# Altium PCB main.PcbDoc (continued)
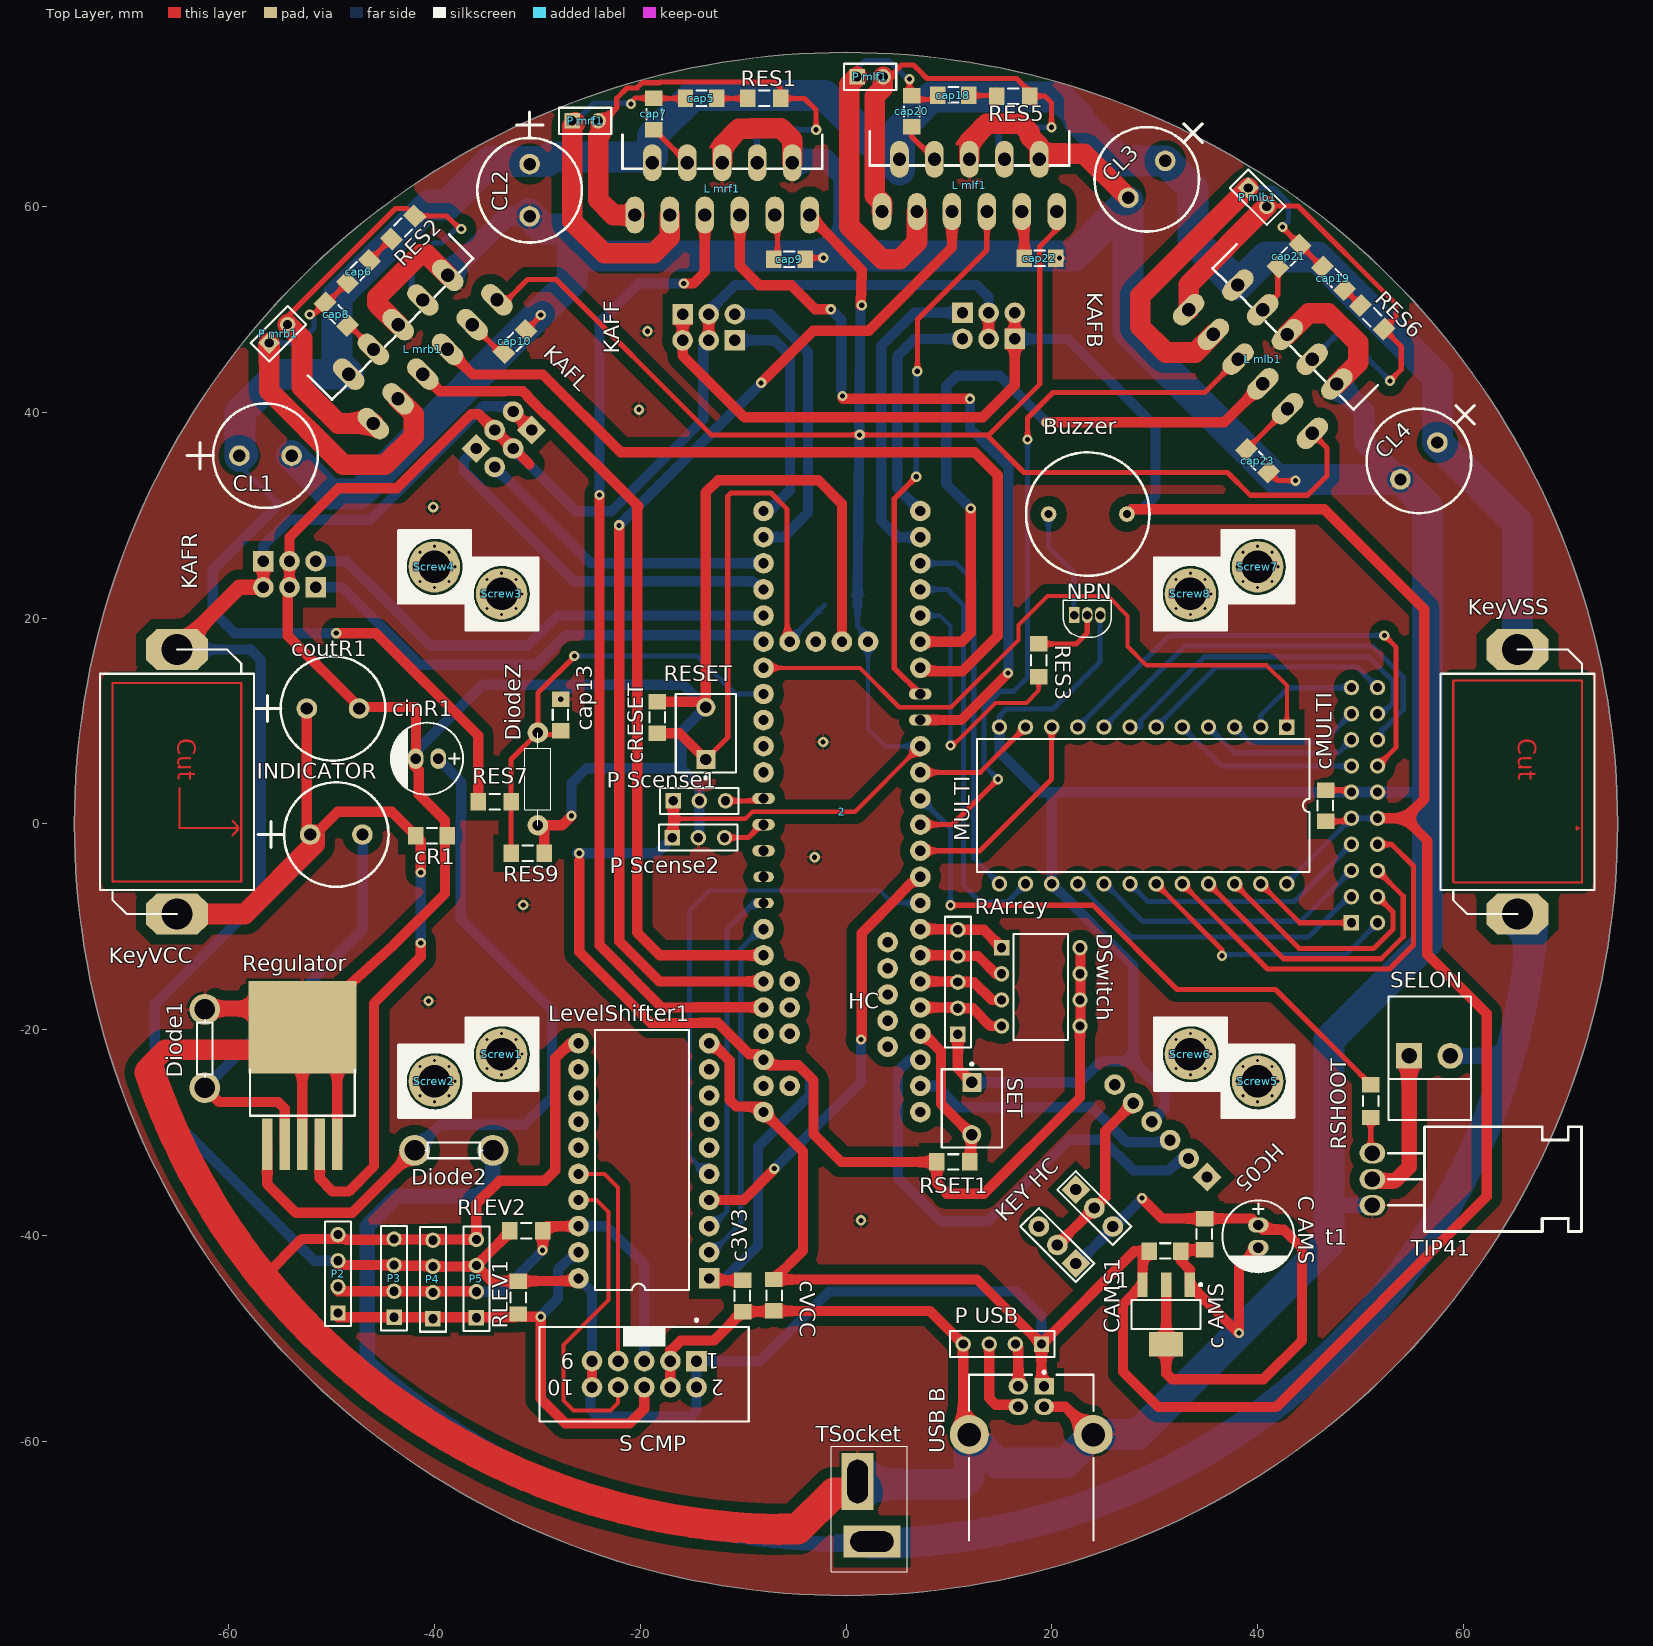
[diagram p0: Top Layer view]
## Footprints (in the part's own frame and the unit in brackets; to place one, negate y for a bottom-side part, rotate by r counter-clockwise, add the part's x,y. Pads: shape width x height; smd on the part's side, far side on the other; paste and mask are expansions set on the pad) (continued)
NPN [mm]
  rect 1x1.55 hole 0.8: 1(1.27,0)
  oval 1x1.55 hole 0.8: 2(0,0) 3(-1.27,0)
  silkscreen extent -2.35,-1.47 2.35,2.15, body extent -2.35,-1.47 2.41,2.16, height 6.83
"Power Key"#1 [mm]
  oct 4x6 hole 3: 1(12.947,0.122) 2(-12.753,0.122)
  Top Layer lines w0.2: 0.697,0.372 4.597,0.372 4.597,5.928 4.45,6.075 3.897,5.522 ; 5.297,5.522 4.784,6.034 ; 9.775,-6.128 -9.525,-6.128 -9.525,6.372 9.775,6.372 9.775,-6.128
  silkscreen extent -12.75,-7.38 12.95,7.62, body extent -10.39,-7.25 10.9,7.76, height 3.29
"Power Key"#2 [mm]
  oct 4x6 hole 3: 1(12.947,0.122) 2(-12.753,0.122)
  Top Layer lines w0.2: 9.85,-6.128 -9.733,-6.128 -9.733,6.372 9.875,6.372 9.875,-6.075 9.822,-6.128 9.347,-6.128
  silkscreen extent -12.75,-7.38 12.95,7.62, body extent -10.39,-7.25 10.9,7.76, height 3.29
"Res Array 5" [mm]
  rect 1.5x1.5 hole 0.9: 1(-4.572,0.127)
  round 1.5 hole 0.9: 2(-2.032,0.127) 3(0.508,0.127) 4(3.048,0.127) 5(5.588,0.127)
  silkscreen extent -5.84,-1.14 6.86,1.4, body extent -5.84,-1.27 6.86,1.24, height 5.63
Resistor [mm] "DIP 2"
  round 2 hole 1: 1(4.496,-0.076) 2(-4.504,-0.076)
  silkscreen extent -4.5,-1.33 4.5,1.17, body extent -4.82,-1.4 4.81,1.24, height 3.09
"Resistor SMD 1206" [mm]
  rect 1.5x1.7 smd: 1(-1.6,0) 2(1.6,0)
  silkscreen extent -0.5,-0.75 0.5,0.75, body extent -1.6,-0.8 1.6,0.8, height 0.55
Screw [mm]
  round 0.6 hole 0.3: S(-2,0) S(-1.414,-1.414) S(-1.414,1.414) S(0,-2) S(0,2) S(1.414,-1.414) S(1.414,1.414) S(2,0)
  round 5 hole 3.15 mask+0.1: S(0,0)
  silkscreen extent -3.49,-3.53 3.56,3.52, body extent -2.8,-2.8 2.8,2.8, height 3.88
"Selon Con" [mm]
  rect 2.5x2.5 hole 1.5: 1(2.022,0.385)
  round 2.5 hole 1.5: 2(-1.978,0.385)
  silkscreen extent -3.98,-5.36 4.02,6.64
SOT223 [mm]
  rect 1x2.4 smd: 1(-2.269,-2.85) 2(0.031,-2.85) 3(2.331,-2.85)
  rect 3.3x2.4 smd: 2(0.031,2.95)
  silkscreen extent -3.44,-2.97 3.38,1.45, body extent -3.21,-3.44 3.27,3.54, height 1.64
SW_2pin [mm]
  rect 1.85x1.85 hole 1.1: 1(-2.54,0)
  round 1.85 hole 1.1: 2(2.54,0)
  silkscreen extent -4.44,-2.92 3.81,2.92, body extent -3.96,-3.1 3.96,3.1, height 4.45
TEENSY_3.5/3.6 [mm]
  round 2 hole 1: 0/RX(-25.4,-7.62) 1/TX(-22.86,-7.62) 2(-20.32,-7.62) 3/CANTX(-17.78,-7.62) 3V3(7.62,-7.62) 3V3_2(17.78,-2.54) 3V3_LO(-22.86,7.62) 4/CANRX(-15.24,-7.62) 5(-12.7,-7.62) 6(-10.16,-7.62) 7(-7.62,-7.62) 8(-5.08,-7.62) 9/CS(-2.54,-7.62) 10/CS(0,-7.62) 11/MOSI(2.54,-7.62) 12/MISO(5.08,-7.62) 13/SCK(5.08,7.62) 19/A5/SCL(-10.16,7.62) 20/A6(-12.7,7.62) 21/A7(-15.24,7.62) 21/DAC0(12.7,7.62) 22/A8(-17.78,7.62) 23/A9(-20.32,7.62) 26(15.24,-7.62) 27(17.78,-7.62) 28(20.32,-7.62) 29(22.86,-7.62) 30(25.4,-7.62) 31/A12(27.94,-7.62) 32/A13(30.48,-7.62) 33/A14(30.48,7.62) 34/A15(27.94,7.62) 35/A16(25.4,7.62) 36/A17(22.86,7.62) 37/A18(20.32,7.62) 38/A19(17.78,7.62) 39/A20(15.24,7.62) A10(-17.78,5.08) A11(-15.24,5.08) A22/DAC1(10.16,7.62) AGND(-25.4,7.62) AREF(-20.32,5.08) GND(-27.94,-7.62) GND2(7.62,7.62) GND3(17.78,0) PROG(17.78,2.54) RESET(17.78,5.08) U5V(-21.59,-4.445) UD+(-16.51,-4.445) UD-(-19.05,-4.445) UGND1(-13.97,-4.445) UGND2(-11.43,-4.445) VIN(-27.94,7.62) VUSB(-25.4,5.08)
  oval 1.1x2.2 hole 1: 14/A0(2.54,7.62) 15/A1(0,7.62) 16/A2(-2.54,7.62) 24(10.16,-7.62) 25(12.7,-7.62)
  oval 1x2 hole 1: 17/A3(-5.08,7.62) 18/A4/SDA(-7.62,7.62)
  round 0 all layers, no hole: VBAT(17.78,-5.08)
  body extent -30.67,-8.89 31.69,8.89, height 7.49
TIP41 [mm]
  round 0 all layers, no hole: 0(0.175,8.296)
  oval 2x2.5 hole 1.5: 1(-2.365,-9.484) 2(0.175,-9.484) 3(2.715,-9.484)
  silkscreen extent -4.9,-7.96 5.26,10.84
TSocket [mm]
  rect 5.5x3.1 hole 2 slot 4.2 at 0 deg: 1(-2.54,3.81)
  rect 3.1x5.5 hole 2 slot 4.2 at 90 deg: 2(3.302,5.207)
  silkscreen extent -5.97,1.27 6.22,8.64, body extent -5.78,1.18 6.22,8.48, height 14.25
USB_B.2 [mm]
  rect 1.6x1.9 hole 1: 1(-2.355,1.25)
  oval 1.6x1.9 hole 1: 2(-2.355,-1.25) 3(-0.355,-1.25) 4(-0.355,1.25)
  round 3.8 hole 2.3: 5(2.355,6.02) 6(2.355,-6.02)
  silkscreen extent -3.83,-6.05 12.64,6.05, body extent -3.86,-7.45 68.53,7.45, height 11.05

## Part data
c3V3 "c AMS" CAMS1 cap2 cap4 cap5 cap6 cap7 cap8 cap9 cap10 cap11 cap12 cap13 cap15 cap17 cap18 cap19 cap20 cap21 cap22 cap23 cap24 cap25 cMULTI cR1 cRESET cVCC: library part "Cap SMD"
"C AMS" cinR1: library part "Cap 100uF"
CL1 CL2 CL3 CL4 coutR1 INDICATOR: library part "Cap 1000uF"
DiodeZ: library part Res
DSwitch: library part "DIP SW 4"
NPN: library part NPN
P2 P3 P4: library part "Header 4", "Header, 4-Pin", LatestRevisionDate=17-Jul-2002, LatestRevisionNote="Re-released for DXP Platform.", Publisher="Altium Limited"
P5 "P USB": "Header, 4-Pin", LatestRevisionDate=17-Jul-2002, LatestRevisionNote="Re-released for DXP Platform.", Publisher="Altium Limited"
"P mlb1" "P mlf1" "P mrb1" "P mrf1": "Header, 2-Pin", LatestRevisionDate=17-Jul-2002, LatestRevisionNote="Re-released for DXP Platform.", Publisher="Altium Limited"
"P Scense1" "P Scense2": "Header, 3-Pin", LatestRevisionDate=17-Jul-2002, LatestRevisionNote="Re-released for DXP Platform.", Publisher="Altium Limited"
RES1 RES2 RES3 RES5 RES6 RES7 RES9 "RES RESET1" RLEV1 RLEV2 RSET1 RSHOOT: library part "Res SMD"
RESET SET: "Switch", LatestRevisionDate=17-Jul-2002, LatestRevisionNote="Re-released for DXP Platform.", PackageDescription="Switch; 2 Leads", PackageReference=SPST-2, Published=24-Mar-1999, Publisher="Altium Limited"
"S CMP": library part "IDC 2x5"
Socket1: library part "IDC 2x10"
"USB B": "USB B", LatestRevisionDate=17-Jul-2002, LatestRevisionNote="Re-released for DXP Platform.", Publisher="Altium Limited"
2: DeviceSetName=TEENSY_3.5/3.6, GateName_1=G$1, LibraryName=Teensy356, Package=TEENSY_3.5/3.6, SymbolName_1=TEENSY_3.5/3.6
Screw1 Screw2 Screw3 Screw4 Screw5 Screw6 Screw7 Screw8: LatestRevisionDate=17-Jul-2002, LatestRevisionNote="Re-released for DXP Platform.", Publisher="Altium Limited"

## Via types
v1: diameter 1, hole 0.5, Top Layer to Bottom Layer, 53 vias

## Nets (pads, with @x,y where several pads share a name; then routed paths per layer and width w, separated by ;. In a path a pad name is that pad's centre, name@x,y a point inside that pad or via, vN(x,y) a via of type N, cw(c..) or ccw(c..) an arc to the next point about the centre after c; other vN are vias at no path point)
3V3: 2.3V3 2.3V3_2 2.3V3_LO "L mlb1.11" "L mlf1.11" "L mrb1.11" "L mrf1.11" "P Scense1.1" "P Scense2.1" "RES RESET1.2" c3V3.2 DSwitch.5 DSwitch.6 DSwitch.7 DSwitch.8 LevelShifter1.vA RSET1.2 | length 342.5
  Top Layer w0.4: -16.79,0.513 -9.76,0.513 -9.083,1.19 0.855,1.19 2.3V3
  Top Layer w0.5: -33.924,50.945 -32.93,50.945 -30.95,52.925 -28.2,52.925 -13.1,37.825 v1(1.325,37.825) 13.65,37.825 ; 20.5,59.529 20.5,57.8 18.825,56.125 18.825,42.75 13.775,37.7 17.3,34.175 37.075,34.175 39.3,31.95 44.85,31.95 46.75,33.85 46.75,36.544 45.32,37.974
  Top Layer w1: -25.925,-3.55 -25.925,-12.413 -18.998,-19.34 -14.158,-19.34 -14.128,-19.31 -12.472,-19.31 -9.402,-22.38 -8.555,-22.38 2.3V3_LO -7.475,-23.46 -4.64,-23.46 -3.15,-24.95 -3.15,-30.175 -0.475,-32.85 RSET1.2 8.825,-34.875 9.8,-35.85 9.8,-35.925 13.4,-35.925 22.741,-26.584 DSwitch.5 ; -16.89,-1.325 -16.79,-1.225 -16.79,0.513 -16.79,2.25 -16.79,2.51 ; LevelShifter1.vA -13.45,-44.32 -13.42,-44.35 c3V3.2 ; -3.45,59.275 -3.525,59.195 1.525,53.825 v1@1.424,50.428 ; DSwitch.5@22.791,-19.491 22.791,-14.561 DSwitch.8@22.791,-11.871
  Bottom Layer w0.4: 2.3V3_2 2.145,9.23 3.815,7.56 2.3V3
  Bottom Layer w0.5: 1.125,21.2 1.125,19.225 2.145,18.205 2.3V3_2
  Bottom Layer w1: v1@-26.15,-2.85 v1(-25.925,-2.85) -18.415,-2.85 -16.89,-1.325 ; LevelShifter1.vA -11.745,-44.17 -8.55,-40.975 -8.55,-31.363 -3.475,-26.288 -3.475,-24.632 -4.647,-23.46 -7.475,-23.46 2.3V3_LO ; 1.125,21.2 1.126,21.275 1.251,34.001 1.262,35.126 1.288,37.825 v1@1.412,50.423
  other v1: 1.525,50.425
3V3AMS: 1.2 "C AMS.1" "c AMS.2" "KEY HC.1" "KEY HC.2" | length 68.2
  Top Layer w1: v1@28.75,-36.35 v1(28.765,-36.365) 30.75,-38.35 34.85,-38.35 39.447,-38.35 40.074,-38.977 40.524,-39.427 42.542,-39.427 44.325,-41.21 44.325,-50.225 40.575,-53.975 31.7,-53.975 31.119,-53.394 31.119,-50.575 1.2@31.119,-44.775
  Bottom Layer w1: 22.342,-42.717 22.5,-42.717 ; v1(28.765,-36.365) v1@28.765,-36.452 ; 22.5,-42.717 v1@28.765,-36.452 ; 22.5,-42.717 26.013,-39.204 v1@28.765,-36.452
3V3HC: "KEY HC.3" "KEY HC.4" HC.5 | length 16.8
  Top Layer w1: 20.546,-40.921 24.138,-37.329 25.2,-36.267 25.2,-29.841 HC.5
ADRESS0: 2.9/CS MULTI.10 | length 20.7
  Top Layer w0.5: 2.9/CS 13.025,-2.6 19.991,4.366 MULTI.10
ADRESS1: 2.12/MISO MULTI.11 | length 12.1
  Top Layer w0.5: 2.12/MISO 13.047,5.02 MULTI.11
ADRESS2: 2.29 MULTI.14 | length 39.5
  Bottom Layer w0.5: 2.29 9.875,22.8 11.411,21.264 11.411,-5.936 13.05,-7.575 15.692,-7.575 MULTI.14
ADRESS3: 2.30 MULTI.13 | length 36.4
  Bottom Layer w0.5: 2.30 10.685,25.34 12.411,23.614 12.411,-3.316 MULTI.13
BALLSENSORS: 2.39/A20 MULTI.1 | length 67.1
  Top Layer w0.4: 2.39/A20 1.345,15.18 5.175,11.35 10.225,11.35 16.775,17.9 16.775,19.35 19.575,22.15 25.45,22.15 27.375,20.225 27.375,17.275 29.225,15.425 40.8,15.425 ; 40.875,15.425 42.851,13.449 MULTI.1
BUZZER: 2.28 RES3.2 | length 27.1
  Top Layer w0.4: v1(10.15,7.625) 10.397,7.625 14.547,11.775 17.525,11.775 18.725,12.975 RES3.2
  Bottom Layer w0.4: 2.28 9.115,20.26 10.15,19.225 v1(10.15,7.625)
D1: 2.6 DSwitch.1 RArrey.5 | length 8.6
  Top Layer w1: 2.6 10.806,-10.22 RArrey.5 13.387,-10.287 DSwitch.1
D2: 2.5 DSwitch.2 RArrey.4 | length 8.6
  Top Layer w1: 2.5 10.806,-12.76 RArrey.4 12.827,-12.827 14.561,-14.561 DSwitch.2
D3: 2.4/CANRX DSwitch.3 RArrey.3 | length 8.6
  Top Layer w1: 2.4/CANRX 10.806,-15.3 RArrey.3 12.417,-15.367 14.151,-17.101 DSwitch.3
D4: 2.3/CANTX DSwitch.4 RArrey.2 | length 8.6
  Top Layer w1: 2.3/CANTX 10.806,-17.84 RArrey.2 12.307,-17.907 14.041,-19.641 DSwitch.4
feedback: 2.21/DAC0 cap13.1 DiodeZ.2 RES7.2 RES9.2 | length 43.9
  Top Layer w0.5: RES9.2 -32.55,-2.825 RES7.2 -32.55,6.28 DiodeZ.2 ; cap13.1@-27.725,8.7 -29.772,8.7 DiodeZ.2 ; v1(-26.4,16.325) -26.4,16.275 -29.951,12.724 DiodeZ.2
  Bottom Layer w0.5: v1(-26.4,16.325) -14.45,16.325 -10.765,12.64 2.21/DAC0
GND: 1.1 2.GND3 "c AMS.1" "C AMS.2" "L mlb1.6" "L mlb1.10" "L mlf1.6" "L mlf1.10" "L mrb1.6" "L mrb1.10" "L mrf1.6" "L mrf1.10" "P Scense1.2" "P Scense2.2" "P USB.4" "S CMP.3" "S CMP.4" "S KAF B.3" "S KAF B.4" "S KAF F.3" "S KAF F.4" "S KAF L.3" "S KAF L.4" "S KAF R.3" "S KAF R.4" "USB B.4" "USB B.5" "USB B.6" c3V3.1 CAMS1.2 cap2.2 cap4.2 cap9.1 cap10.1 cap13.2 cap15.2 cap17.2 cap22.1 cap23.1 cinR1.2 CL1.2 CL2.2 CL3.2 CL4.2 cMULTI.2 coutR1.2 cR1.2 cRESET.2 cVCC.2 Diode1.1 DiodeZ.1 HC.4 LevelShifter1.GND MULTI.12 MULTI.15 NPN.3 P2.4 P3.4 P4.4 P5.4 RArrey.1 Regulator.3 Regulator.5 Regulator.6 RES9.1 RESET.2 SET.1 Socket1.11 Socket1.12 t1.3 TSocket.1 | length 1058
  Top Layer w0.5: cap10.1 v1@-29.5,49.575 ; cap9.1@-3.975,54.975 -3.925,55.025 v1(-2.2,55.025) ; cap23.1 41.925,33.375 v1(43.7,33.375) ; cMULTI.2 Socket1.11@48.925,3.3
  Top Layer w1: -56.643,-44.092 -52.881,-40.33 -48.55,-40.33 ; Regulator.3 Regulator.6 ; Regulator.5 -49.45,-23.158 Regulator.6 ; -48.562,-40.332 -48.562,-40.41 -44.275,-40.41 -43.924,-40.407 -40.525,-40.38 P5.4 -35.925,-36.925 -33.675,-34.675 -29.275,-34.675 -28.253,-33.653 -28.253,-22.753 -26.81,-21.31 LevelShifter1.GND ; cR1.2@-38.966,-0.359 -38.966,0.316 -41.525,2.875 -41.525,5.225 -41.975,5.675 -41.8,5.85 -41.8,11.375 -47.325,11.375 -54.25,18.3 -54.25,22.84 -54.09,23 -54.09,25.54 -54.09,27.86 -49.325,32.625 -43.65,32.625 -36.45,39.825 -35.683,39.825 -34.15,38.292 -32.354,36.496 -32.312,36.496 -30.766,34.95 ; cR1.2 -38.975,-1.375 -38.975,-6.761 -43.989,-11.775 Regulator.6 ; RES9.1 -29.325,-0.747 DiodeZ.1 -27.596,-0.121 v1(-26.675,0.8) ; cRESET.2 -14.15,11.875 RESET.2 -13.625,32.225 -12.43,33.42 -2.67,33.42 -0.395,31.145 -0.395,18.175 2.GND3@0,17.78 ; -17.07,-54.75 -17.07,-52.21 -17.07,-51.15 -16.99,-51.15 -16.05,-50.21 -12.86,-50.21 c3V3.1 -7.075,-47.4 cVCC.2 8.16,-47.325 11.385,-50.55 11.385,-58.75 11.985,-59.35 ; -13.34,47.01 -13.34,49.55 ; RArrey.1 10.873,-23.758 SET.1 ; 13.86,47.15 13.86,49.69 ; 19.255,-56.64 21.315,-56.64 24.025,-59.35 ; HC.4@29.5,-28.929 HC.4 ; 34.85,-41.4 32.65,-41.4 CAMS1.2 32.525,-42.425 33.419,-43.319 1.1 38.119,-49.475 v1(38.2,-49.475) 38.2,-43.051 40.074,-41.177 ; Socket1.11@48.925,3.3 Socket1.11
  Top Layer w1.5: Diode1.1@-60.85,-17.939 -54.668,-17.939 Regulator.6
  Top Layer w2: -67.65,-24.163 -67.65,-23.4 -66.175,-21.925 -58.35,-21.925 ; -43.527,48.527 -45.55,50.55 -45.55,51.2 -41.375,55.375 -40.758,55.375 -38.718,53.335 ; -12.025,64.275 -12.025,65.95 -10.4,67.575 -9.225,67.575 -9.175,67.625 -6.325,67.625 -5.225,66.525 -5.225,64.275 ; 12,64.609 12,66.35 13.7,68.05 17.025,68.05 17.84,67.235 17.84,66.841 18.8,65.881 18.8,65.159 ; 18.8,64.609 18.8,65.159 ; CL3.2@27.15,61.15 23.141,65.159 18.8,65.159 ; 42.902,47.577 44.975,49.65 46.875,49.65 49.775,46.75 49.775,44.833 47.71,42.768
  Top Layer w3: -67.65,-24.163 ccw(c-5.45,-2.813) -56.643,-44.092 ccw(c-5.45,-2.813) -6.507,-68.567 ; -6.325,-68.525 -4.7,-68.525 -1.183,-65.008 TSocket.1@1.128,-65.008
  Bottom Layer w0.5: MULTI.12@14.661,9.174 MULTI.12 14.911,10.511 15.574,11.174 18.45,11.174 ; 18.724,11.174 20.12,11.174 24.695,15.749 24.695,19.767 NPN.3@24.945,20.017
  Bottom Layer w1: cinR1.2@-42.162,6.688 -35.325,13.525 -26.5,13.525 ; -32.354,36.496 -26.258,30.4 -22.796,30.4 -13.88,39.316 -13.88,46.47 -13.34,47.01 ; v1(-27.725,12.125) -27.725,12.3 -26.5,13.525 ; v1(-26.675,0.8) -26.675,3.975 -25.225,5.425 -16,5.425 ; -14.35,-1.325 -14.25,-1.225 -14.25,2.25 -14.25,3.631 -15.55,4.931 -15.55,4.975 -16,5.425 ; -13.4,55.225 -13.34,55.165 ; -13.34,49.55 -12.8,50.09 -12.8,50.378 -10.793,52.385 12.69,52.385 13.86,51.215 13.86,49.69 ; SET.1 22.715,-25.11 24.75,-23.075 27.925,-23.075 ; MULTI.12 14.911,7.014 18.825,3.1 19.925,3.1 ; 15.35,54.7 15.375,54.675 ; HC.4 30.95,-27.683 30.95,-26.1 27.925,-23.075 ; 46.738,-40.937 46.95,-40.725 ; 56.525,3.2 56.425,3.1 Socket1.12 Socket1.11 19.925,3.1 ; -26.5,13.525 -15.8,13.525 RESET.2 -16,8.975 -16,5.425 ; 19.925,3.1 19.991,3.034 MULTI.15 27.925,-13.75 27.925,-23.075
  Bottom Layer w1.5: 47.36,-37.065 t1.3
  Bottom Layer w2: -38.718,53.335 -33.814,58.239 -32.993,59.061 CL2.2 ; -5.2,64.609 -1.959,64.609 -0.225,62.875 -0.225,55.225 ; 46.95,-37.475 47.36,-37.065 ; 47.71,42.768 50.4,40.078 50.4,37.025 CL4.2@53.725,33.7
  Bottom Layer w3: CL1.2 -52.18,34.095 -50.161,32.075 -47.3,32.075 -26.57,52.805 -26.57,57.205 ; CL2.2@-30.875,59.275 -29.45,57.85 -27.214,57.85 -26.57,57.205 ; TSocket.1@1.912,-64.691 2.428,-64.175 11.275,-64.175 11.985,-63.465 11.985,-59.35 14.735,-62.1 21.275,-62.1 24.025,-59.35 28.325,-59.35 46.738,-40.937 ; 15.35,55.225 -0.225,55.225 -13.4,55.225 -24.589,55.225 -26.57,57.205 ; 15.375,55.225 22.15,55.225 27.425,60.5 27.425,47.9 38.25,37.075 41.835,33.49 CL4.2 56.525,30.855 56.525,3.2 56.525,-11.4 46.95,-20.975 46.95,-37.475 46.95,-40.725
  other v1: 1.45,-38.525 -40.575,-17.2 -31.375,-7.875 -3.05,-3.225 -2.225,7.975 -40.125,30.8 -20.125,40.275 -19.3,47.9 -29.675,49.475 20.75,55
"IN GPIO mlb": 2.27 "L mlb1.7" | length 65
  Top Layer w1: 2.27 11.27,17.72 12.125,18.575 v1(12.125,30.675) ; v1(19.525,39) 19.475,39.05 36.779,39.05 40.512,42.782
  Bottom Layer w1: v1(12.125,30.675) 9.75,33.05 9.75,42.55 10.775,43.575 14.95,43.575 v1(19.525,39)
"IN GPIO mlf": 2.25 "L mlf1.7" | length 51.8
  Top Layer w0.53: v1(6.825,33.75) 4.685,31.61 4.685,15.18 2.25 ; v1(6.925,44) 6.95,44 6.95,49.05 13.7,55.8 13.7,59.529
  Bottom Layer w0.53: v1(6.825,33.75) 6.825,44.05 6.85,44.075 v1(6.925,44)
"IN GPIO mrb": 2.26 "L mrb1.7" | length 83.3
  Top Layer w1: -38.732,46.137 -36.286,43.69 -29.465,43.69 -21.9,36.125 12.525,36.125 14.75,33.9 14.75,18.3 11.3,14.85 7.555,14.85 7.445,14.96 7.672,15.188 2.26@7.62,15.24
"IN GPIO mrf": 2.24 "L mrf1.7" | length 74.8
  Top Layer w1: -10.325,59.195 -10.325,54.275 -8.425,52.375 -5.325,52.375 -2.975,50.025 v1(-1.475,50.025) ; v1@-0.35,41.383 -0.292,41.325 v1(12.05,41.325) ; 2.24 11.175,10.1 v1(15.75,14.675)
  Bottom Layer w1: v1(-1.475,50.025) -0.457,49.007 -0.457,45.794 -0.457,42.255 -0.462,42.25 ; v1(12.05,41.325) 12.05,38.475 15.8,34.725 v1@15.8,14.675
  other v1: -0.35,41.6
"IN PWM mlb": 2.10/CS "L mlb1.5" | length 70.4
  Top Layer w0.5: 2.10/CS 10.365,-0.06 v1(14.775,4.35) ; v1(17.65,37.375) 17.65,39.475 20.125,41.95 34.871,41.95 38.107,45.187
  Bottom Layer w0.5: v1(14.775,4.35) 13.411,5.714 13.411,11.286 15.025,12.9 16.3,12.9 17.65,14.25 v1(17.65,37.375)
"IN PWM mlf": 2.21/A7 "L mlf1.5" | length 103.1
  Top Layer w1: v1(-22.05,29.025) -22.05,-11.413 -18.163,-15.3 2.21/A7 ; v1(-8.25,42.875) -3.175,47.95 2.203,47.95 10.3,56.047 10.3,59.529
  Bottom Layer w1: v1(-22.05,29.025) -8.25,42.825 v1(-8.25,42.875)
"IN PWM mrb": 2.20/A6 "L mrb1.5" | length 81
  Top Layer w1: -41.137,43.732 -39.479,42.075 -33.196,42.075 -33.182,42.088 -31.525,42.088 -31.512,42.075 -31.4,42.075 -30.95,41.625 -30.95,41.513 -29.187,39.75 -29.075,39.75 -20.2,30.875 -20.3,30.775 -20.3,-10.55 -18.09,-12.76 2.20/A6
"IN PWM mrf": 2.22/A8 "L mrf1.5" | length 96.8
  Top Layer w1: v1(-23.95,31.975) -23.95,-11.775 -17.885,-17.84 -14.78,-17.84 -14.75,-17.81 -8.045,-17.81 2.22/A8 ; v1(-15.775,52.525) -14.85,52.525 -13.725,53.65 -13.725,59.195
  Bottom Layer w1: v1(-23.95,31.975) -23.95,48.775 -20.2,52.525 v1(-15.775,52.525)
INREGULATOR: Diode2.1 KeyVSS.1 SELON.2 TSocket.2 | length 189.8
  Bottom Layer w1.5: -46.55,-52.3 -46.55,-39.1 -43.625,-36.175 -35.771,-36.175 -34.314,-34.718 Diode2.1 ; -46.428,-52.387 ccw(c0,0) TSocket.2@1.723,-69.979 ; -0.75,-69.75 TSocket.2 ; SELON.2 64.2,-22.535
  Bottom Layer w3: Diode2.1@-34.392,-31.725 Diode2.1 ; TSocket.2@2.325,-69.95 ccw(c1.925,-4.975) 64.421,-22.756 ; 64.2,-22.535 64.421,-22.756 ; KeyVSS.1@66.794,-8.701 cw(c1.925,-4.975) 64.421,-22.756
NetBuzzer1_2: Buzzer.2 NPN.1 | length 10.9
  Bottom Layer w0.5: Buzzer.2 19.69,26.935 22.175,24.45 NPN.1
Netcap5_1: "L mrf1.3" "P mrf1.1" cap5.1 cap7.1 | length 36.5
  Top Layer w0.5: v1(-20.9,69.975) -20.9,70.175 -20.525,70.55 cap7.1 -18.65,70.525 cap5.1
  Top Layer w2: -26.335,68.225 -26.335,68.13 ; -17.125,59.195 -17.125,57.025 -18.675,55.475 -23.5,55.475 -26.625,58.6 -26.625,67.84 ; -26.625,67.84 -26.335,68.13 ; -26.625,67.84 -26.335,68.13
  Bottom Layer w0.5: -26.24,68.225 -26.24,68.316 -24.481,70.075 v1@-21.05,70.075 ; v1(-20.9,69.975) v1@-20.9,70.225 ; -20.6,70.525 v1@-20.9,70.225 ; v1@-21.05,70.075 v1@-20.9,70.225 ; v1@-21.05,70.075 v1@-20.9,70.225
Netcap5_2: cap5.2 RES1.1 | length 3
  Top Layer w0.5: cap5.2 RES1.1
Netcap6_1: "L mrb1.3" "P mrb1.1" cap6.1 cap8.1 | length 38.7
  Top Layer w0.5: v1@-52.325,49.525 v1(-52.125,49.525) -51.732,49.525 cap8.1 -50.447,50.628 cap6.1
  Top Layer w2: -56.071,46.754 -56.071,42.121 -48.85,34.9 -44.825,34.9 -42.025,37.7 -42.025,39.812 -43.541,41.328
  Bottom Layer w0.5: -56.071,46.754 -53.171,46.754 -51.717,48.208 -51.717,49.117 v1(-52.125,49.525)
Netcap6_2: cap6.2 RES2.1 | length 3
  Top Layer w0.5: cap6.2 -44.231,56.844 RES2.1
Netcap7_2: "L mrf1.4" cap7.2 | length 4.6
  Top Layer w0.5: cap7.2 -15.45,64.275 -15.425,64.275
Netcap8_2: "L mrb1.4" cap8.2 | length 3.5
  Top Layer w0.5: cap8.2 -48.28,48.472 -45.931,46.122
Netcap9_2: "L mrf1.9" cap9.2 | length 8.4
  Top Layer w0.5: -6.925,59.195 -6.65,58.92 ; -6.65,58.92 -6.65,54.9 -6.65,58.92
Netcap10_2: "L mrb1.9" cap10.2 | length 4.2
  Top Layer w0.5: -36.328,48.541 cap10.2@-33.609,45.822
  Top Layer w1: cap10.2@-33.609,45.822 cap10.2
Netcap11_1: "L mrf1.8" cap11.1 | length 3.2
  Bottom Layer w0.5: cap11.1 -8.675,64.325 -8.625,64.275
Netcap11_2: "L mrf1.1" "P mrf1.2" cap11.2 RES1.2 | length 43.5
  Top Layer w0.5: v1(-2.9,67.475) -2.9,69.4 -4.025,70.525 RES1.2 -6.35,71.5 -6.975,72.125 -18.05,72.125 -18.125,72.05 -19.836,72.05 -20.275,71.611 -20.275,71.55 -21.284,71.55 -22.285,70.549 -22.285,69.64 ; -22.285,69.64 -23.835,68.09 -22.285,69.64
  Top Layer w2: -23.835,68.09 -23.835,67.094 -24.085,66.844 -24.085,60.685 -22.595,59.195 -20.525,59.195
  Bottom Layer w0.5: cap11.2 -5.575,67.475 v1(-2.9,67.475) v1@-2.95,67.425
Netcap12_1: "L mrb1.8" cap12.1 | length 3.8
  Bottom Layer w0.5: cap12.1 -42.232,52.04 -41.122,50.931
Netcap12_2: "L mrb1.1" "P mrb1.2" cap12.2 RES2.2 | length 41.1
  Top Layer w0.5: -54.275,48.55 -54.275,49.334 -43.784,59.825 -42.637,59.825 RES2.2 -38.806,59.106 -37.525,57.825 v1(-37.4,57.825)
  Top Layer w2: -54.275,48.55 -52.875,47.15 -52.875,42.461 -49.339,38.924 -45.945,38.924
  Bottom Layer w0.5: cap12.2 -39.275,56.475 -37.925,57.825 v1(-37.4,57.825)
Netcap18_1: "L mlf1.3" "P mlf1.1" cap18.1 cap20.1 | length 39.5
  Top Layer w0.5: 1.075,72.625 1.075,73.45 ; v1(6.175,72.4) 6.175,70.984 5.97,70.78 6.325,70.425 8.15,70.425 8.738,71.013 cap18.1@9.025,71.3
  Top Layer w2: 1.075,72.625 0.3,71.85 0.3,58.125 3.525,54.9 5.228,54.9 6.9,56.572 6.9,59.529
  Bottom Layer w0.5: 1.075,72.625 1.075,73.4 1.875,74.2 4.166,74.2 5.966,72.4 v1(6.175,72.4)
Netcap18_2: cap18.2 RES5.1 | length 4.1
  Top Layer w0.5: cap18.2@12.075,71.3 cap18.2@12.575,70.8 ; cap18.2@12.238,71.138 cap18.2@12.575,70.8 ; cap18.2@12.575,70.8 13.9,70.8 ; 13.9,70.8 14.475,71.375 13.9,70.8
Netcap19_1: "L mlb1.3" "P mlb1.1" cap19.1 cap21.1 | length 39.3
  Top Layer w0.5: v1(42.425,58.025) 42.425,57.982 cap21.1 46.278,54.128 cap19.1
  Top Layer w2: 35.703,47.591 33.938,45.825 31.1,45.825 28.6,48.325 28.6,51.317 39.104,61.821
  Bottom Layer w0.5: 39.104,61.821 41.554,61.821 43.025,60.35 43.025,58.625 v1(42.425,58.025)
Netcap19_2: cap19.2 RES6.1 | length 2.2
  Top Layer w0.5: cap19.2 50.019,50.406 RES6.1
Netcap20_2: "L mlf1.4" cap20.2 | length 4.1
  Top Layer w0.5: cap20.2 6.375,66.834 8.6,64.609
Netcap21_2: "L mlb1.4" cap21.2 | length 4.8
  Top Layer w0.5: 40.497,49.981 41.972,51.455 cap21.2
Netcap22_2: "L mlf1.9" cap22.2 | length 5.2
  Top Layer w0.5: 17,59.429 17.1,59.529
  Top Layer w1: cap22.2 17.325,59.104 ; 17.325,59.104 17,59.429 17.325,59.104
Netcap23_2: "L mlb1.9" cap23.2 | length 5.7
  Top Layer w0.5: cap23.2 38.922,36.384 42.916,40.378
Netcap24_1: "L mlf1.8" cap24.1 | length 3.4
  Bottom Layer w0.5: cap24.1 14.825,65.184 15.4,64.609
Netcap24_2: "L mlf1.1" "P mlf1.2" cap24.2 RES5.2 | length 36.8
  Top Layer w0.5: 3.615,72.625 4.585,72.625 ; RES5.2@17.675,71.375 16.6,72.45 7.875,72.45 7.425,72.9 7.425,72.918 6.562,73.781 5.397,73.781 4.585,72.969 ; RES5.2 19.325,70.75 19.975,70.1 v1(19.975,67.725) ; 4.585,72.625 4.585,72.969 ; 4.585,72.625 4.585,72.969
  Top Layer w2: 3.5,59.529 3.5,60.375 2.8,61.075 2.8,70.729 3.575,71.504 3.575,72.585 3.615,72.625
  Bottom Layer w0.5: cap24.2 17.9,67.725 v1(19.975,67.725) ; cap24.2@17.975,68.05 cap24.2@18.047,68.122
Netcap25_1: "L mlb1.8" cap25.1 | length 3.9
  Bottom Layer w0.5: 45.306,45.173 48.022,47.888 cap25.1
Netcap25_2: "L mlb1.1" "P mlb1.2" cap25.2 RES6.2 | length 42.7
  Top Layer w0.5: 40.9,60.075 43.925,60.075 53.475,50.525 53.475,49.312 RES6.2 53.975,46.425 53.975,44.175 v1(52.875,43.075)
  Top Layer w2: 33.299,49.995 33.299,52.424 40.875,60.05 40.9,60.075
  Bottom Layer w0.5: cap25.2 v1(52.875,43.075)
"Netcap R1_1": coutR1.1 cR1.1 INDICATOR.1 KeyVCC.1 Regulator.4 | length 85.4
  Top Layer w1: INDICATOR.1@-52.405,-1.025 coutR1.1 ; INDICATOR.1@-51.625,-1.025 -49.4,1.2 -44.15,1.2 cR1.1 -41.336,-1.614 v1(-41.336,-4.711) ; Regulator.4 -51.15,-34.45 -49.875,-35.725 -48.35,-35.725 -45.875,-33.25 -45.875,-17.439 -41.336,-12.9 v1(-41.336,-11.575)
  Top Layer w2: KeyVCC.1 -58.447,-8.747 -51.653,-1.953 -51.653,-1.052 INDICATOR.1@-51.625,-1.025
  Bottom Layer w1: v1(-41.336,-11.575) v1(-41.336,-4.711)
NetcinR1_1: cinR1.1 Diode2.2 Regulator.1 | length 74.9
  Top Layer w1: Regulator.1 -56.25,-35 -53.465,-37.785 -47.994,-37.785 Diode2.2
  Bottom Layer w1: Diode2.2 -39.434,-29.225 -35.427,-29.225 -33.279,-29.225 -31.25,-29.225 -28.575,-26.55 -28.575,-18.1 -37.449,-9.226 -37.449,-3.088 -37.387,4.073 cinR1.1
NetDiode1_2: Diode1.2 INDICATOR.2 Regulator.2 | length 42.8
  Top Layer w1: Diode1.2 -60.934,-27.025 -55.175,-27.025 -54.55,-27.65 Regulator.2
  Bottom Layer w1: Diode1.2 -46.975,-10.285 INDICATOR.2@-46.975,-1.275
NetNPN1_2: NPN.2 RES3.1 | length 6.9
  Top Layer w0.5: RES3.1 22.375,17.5 23.445,18.57 NPN.2
"NetP USB_2": "P USB.2" "USB B.2" | length 4.2
  Top Layer w1: 16.465,-50.55 16.755,-50.84 16.755,-54.64
"NetP USB_3": "P USB.3" "USB B.3" | length 8.4
  Top Layer w1: 13.925,-50.55 13.925,-55.798 14.567,-56.44 16.555,-56.44 16.755,-56.64
"NetRES SHOOT_1": RSHOOT.1 t1.1 | length 3.5
  Top Layer w0.5: t1.1@51,-31.819 RSHOOT.1
  Top Layer w1: t1.1@51,-31.819 t1.1
NetSELON_1: SELON.1 t1.2 | length 15
  Top Layer w1.5: t1.2 51.341,-34.7 53.363,-34.7 54.728,-33.335 SELON.1
OUTBA: 2.32/A13 "S KAF B.5" | length 23
  Bottom Layer w1: 2.32/A13 4.975,32.67 4.975,45.45 6.675,47.15 11.32,47.15
OUTBB: 2.31/A12 "S KAF B.6" | length 30.7
  Bottom Layer w1: 2.31/A12 5.045,27.88 3.425,29.5 3.425,46.475 6.64,49.69 11.32,49.69
OUTFA: 2.34/A15 "S KAF F.5" | length 29.9
  Bottom Layer w0.5: 2.34/A15 2.34/A15@-8.015,28.185
  Bottom Layer w1: -10.8,49.55 -7.354,49.55 -3.7,45.896 -3.7,30.25 -6.07,27.88 2.34/A15
OUTFB: 2.33/A14 "S KAF F.6" | length 22.4
  Bottom Layer w1: -10.8,47.01 -6.935,47.01 -5.45,45.525 -5.45,32.45 -7.48,30.42 2.33/A14
OUTLA: 2.35/A16 "S KAF L.5" | length 30
  Bottom Layer w1: -34.15,34.7 -24.79,25.34 2.35/A16
OUTLB: 2.36/A17 "S KAF L.6" | length 36.6
  Bottom Layer w1: -35.946,36.496 -37.15,35.292 -37.15,34.325 -26.425,23.6 -9.103,23.6 -8.843,23.34 -8.555,23.34 2.36/A17
OUTRA: 2.37/A18 "S KAF R.5" | length 48.2
  Bottom Layer w1: -51.55,25.54 -48.565,25.54 -44.95,21.925 -40.35,17.325 -30.975,17.325 -28.04,20.26 2.37/A18
OUTRB: 2.38/A19 "S KAF R.6" | length 48.1
  Bottom Layer w1: -51.55,23 -48.975,23 -47.025,21.05 -41.45,15.475 -30.1,15.475 -27.225,18.35 -8.933,18.35 -8.843,18.26 -8.555,18.26 2.38/A19
RESET: 2.RESET "RES RESET1.1" cRESET.1 RESET.1 | length 56.7
  Top Layer w0.5: RESET.1 -11.5,8.395 -11.5,31.85 -11.18,32.17 -7.29,32.17 -5.72,30.6 -5.72,17.965 2.RESET
  Top Layer w1: cRESET.1 -16.18,8.825 RESET.1
  Bottom Layer w0.5: 2.RESET -5.475,17.875 -2.075,21.275
RX: 2.1/TX HC.2 | length 48
  Bottom Layer w1: 2.1/TX 6.18,-22.92 5.05,-24.05 5.05,-34.4 9.25,-38.6 13.775,-38.6 21.675,-30.7 24.925,-30.7 27.9,-33.675 31.378,-33.675 32.532,-32.521 HC.2
RX1: 2.7 LevelShifter1.A4 | length 50.3
  Bottom Layer w0.4: -15.225,-8.425 -13.248,-6.448 -8.572,-6.448 -8.539,-6.48 -8.512,-6.48 3.325,-6.48 4.525,-7.68 2.7
  Bottom Layer w0.5: -15.225,-8.425 -15.225,-32.373 LevelShifter1.A4@-14.128,-33.47
  Bottom Layer w1: LevelShifter1.A4@-14.128,-33.47 -13.84,-33.47 LevelShifter1.A4
"rx 33": "S CMP.8" LevelShifter1.B3 | length 31.1
  Top Layer w0.4: LevelShifter1.B3 -24.25,-36.55 -23.075,-37.725 -23.075,-46.25 -27.45,-50.625 -27.45,-56.05 -26.475,-57.025 -22.9,-57.025 -22.15,-56.275 -22.15,-54.75
S1: MULTI.9 Socket1.14 | length 47.4
  Top Layer w0.5: Socket1.14 53.475,7.45 53.475,17.175 v1(52.325,18.325)
  Bottom Layer w0.5: MULTI.9 31.432,18.325 v1(52.325,18.325)
S2: MULTI.8 Socket1.16 | length 40.9
  Bottom Layer w0.5: MULTI.8 32.947,17.3 51.161,17.3 54.165,14.296 54.165,11.099 52.286,9.22 52.075,9.22 52.075,8.59 Socket1.16
S3: MULTI.7 Socket1.18 | length 33.8
  Bottom Layer w0.5: MULTI.7 28.651,9.424 28.651,10.045 34.856,16.25 50.796,16.25 53.165,13.881 53.165,11.765 52.12,10.72 Socket1.18
S4: MULTI.6 Socket1.20 | length 24.8
  Bottom Layer w0.5: MULTI.6 35.977,15.25 49.675,15.25 Socket1.20
S5: MULTI.5 Socket1.13 | length 18
  Bottom Layer w0.5: MULTI.5 36.475,5.64 Socket1.13
S6: MULTI.4 Socket1.15 | length 15.4
  Bottom Layer w0.5: MULTI.4 37.731,6.924 47.869,6.924 Socket1.15
S7: MULTI.3 Socket1.17 | length 13.1
  Bottom Layer w0.5: MULTI.3 39.271,7.924 46.329,7.924 Socket1.17
S8: MULTI.2 Socket1.19 | length 11.1
  Bottom Layer w0.5: MULTI.2 40.311,10.561 43,13.25 49.115,13.25 Socket1.19
S9: MULTI.23 Socket1.1 | length 10.4
  Top Layer w0.5: MULTI.23 44.095,-9.6 Socket1.1
S10: MULTI.22 Socket1.4 | length 22.6
  Top Layer w0.5: MULTI.22 44.055,-12.1 51.286,-12.1 53.165,-10.221 53.165,-8.56 Socket1.4
S11: MULTI.21 Socket1.6 | length 30.3
  Top Layer w0.5: MULTI.21 42.515,-13.1 52.03,-13.1 54.165,-10.965 54.165,-7.02 Socket1.6
S12: MULTI.20 Socket1.8 | length 38.9
  Top Layer w0.5: MULTI.20 40.975,-14.1 52.825,-14.1 55.165,-11.76 55.165,-4.09 53.055,-1.98 Socket1.8
S13: MULTI.19 Socket1.2 | length 25.9
  Top Layer w0.5: MULTI.19 36.55,-12.215 v1(36.55,-12.8) ; Socket1.2@51.665,-9.621 Socket1.2
  Bottom Layer w0.5: v1@36.75,-12.7 48.586,-12.7 51.665,-9.621 Socket1.2
S14: MULTI.18 Socket1.7 | length 24.5
  Bottom Layer w0.5: MULTI.18 29.32,-7.525 43.58,-7.525 Socket1.7
S15: MULTI.17 Socket1.5 | length 27.6
  Bottom Layer w0.5: MULTI.17 25.191,-5.816 28.825,-9.45 44.195,-9.45 Socket1.5
S16: MULTI.16 Socket1.3 | length 30.4
  Bottom Layer w0.5: MULTI.16 27.69,-10.975 44.975,-10.975 48.89,-7.06 Socket1.3
Scense1: 2.14/A0 "P Scense1.3" | length 3.8
  Top Layer w0.5: -11.71,2.25 -8.245,2.25 2.14/A0
Scense2: 2.15/A1 "P Scense2.3" | length 4.3
  Top Layer w0.5: -11.81,-1.325 -9.482,-1.325 2.15/A1@-8.217,-0.06
  Top Layer w1: 2.15/A1@-8.217,-0.06 2.15/A1
SCL: "S CMP.6" LevelShifter1.B1 P2.1 P3.1 P4.1 P5.1 RLEV1.1 | length 49.9
  Top Layer w1: P2.1@-49.375,-47.95 -40.15,-47.95 -32.175,-47.95 RLEV1.1 -31.575,-47.9 v1(-29.675,-47.9) -29.675,-55.85 -27.25,-58.275 -21.05,-58.275 -19.61,-56.835 -19.61,-54.75 -19.7,-54.66
  Bottom Layer w1: v1(-29.675,-47.9) -29.775,-47.9 -28,-46.125 -28,-43.342 -26.828,-42.17 -26.54,-42.17 LevelShifter1.B1
SCLTEENSY: 2.19/A5/SCL LevelShifter1.A1 | length 34.5
  Bottom Layer w0.5: LevelShifter1.A1 -12.76,-41.09 -12.472,-41.09 -10.225,-38.843 -10.225,-12.142 -8.843,-10.76 -8.555,-10.76 2.19/A5/SCL 2.19/A5/SCL@-8.015,-10.76
SDA: "S CMP.5" LevelShifter1.B2 P2.2 P3.2 P4.2 P5.2 RLEV2.1 | length 44.5
  Top Layer w1: P2.2@-49.375,-45.41 -35.975,-45.41 P5.2 ; v1(-29.5,-41.425) -29.475,-41.4 RLEV2.1 -29.04,-39.09 LevelShifter1.B2
  Bottom Layer w1: P5.2 -33.485,-45.46 -29.5,-41.475 v1(-29.5,-41.425) ; LevelShifter1.B2 -23.31,-39.09 -19.61,-42.79 -19.61,-52.21
SDATEENSY: 2.18/A4/SDA LevelShifter1.A2 | length 34.3
  Bottom Layer w0.5: LevelShifter1.A2@-13.012,-39.09 -11.55,-37.628 -11.55,-10.25 -8.98,-7.68 2.18/A4/SDA
  Bottom Layer w1: LevelShifter1.A2 LevelShifter1.A2@-13.012,-39.09
SET: 2.2 RSET1.1 SET.2 | length 14.7
  Top Layer w1: 2.2 7.765,-20.92 8.053,-20.92 9.225,-22.092 9.225,-27.19 SET.2 RSET1.1
SHOOT: 2.11/MOSI RSHOOT.2 | length 59.4
  Top Layer w0.5: v1@10.4,-7.9 24,-7.9 32.175,-16.075 41.75,-16.075 RSHOOT.2
  Bottom Layer w0.5: 2.11/MOSI 10.15,-0.445 v1(10.15,-7.9)
TX: 2.0/RX HC.3 | length 26.7
  Bottom Layer w1: 2.0/RX 8.81,-25.46 10.875,-27.525 23.9,-27.525 27.304,-30.929 31.5,-30.929 HC.3
TX1: 2.8 LevelShifter1.A3 | length 41.7
  Top Layer w1: LevelShifter1.A3 -9.95,-36.55 v1@-7.163,-33.763 ; v1(1.45,-20.956) 1.525,-20.881 1.525,-10.6 5.225,-6.9 5.225,-6.852 6.397,-5.68 6.685,-5.68 2.8
  Bottom Layer w1: v1(-6.975,-33.5) 1.45,-25.075 v1(1.45,-20.956)
"tx 33": "S CMP.7" LevelShifter1.B4 | length 21.3
  Top Layer w0.4: LevelShifter1.B4 -23.465,-34.01 -22.15,-35.325 -22.15,-52.21
VCC: 1.3 2.VIN "P USB.1" "S CMP.1" "S CMP.2" "S CMP.9" "S CMP.10" "S KAF B.1" "S KAF B.2" "S KAF F.1" "S KAF F.2" "S KAF L.1" "S KAF L.2" "S KAF R.1" "S KAF R.2" "USB B.1" Buzzer.1 CAMS1.1 cMULTI.1 cVCC.1 KeyVCC.2 LevelShifter1.OE LevelShifter1.vB MULTI.24 P2.3 P3.3 P4.3 P5.3 RLEV1.2 RLEV2.2 Socket1.9 Socket1.10 | length 545
  Top Layer w0.5: cMULTI.1 Socket1.9@48.815,0.25
  Top Layer w1: -56.63,23 -56.63,25.54 ; P2.3@-49.375,-42.87 -44.575,-42.87 -44.5,-42.945 -40.205,-42.945 P4.3 -36.005,-43 P5.3 ; RLEV2.2 -32.675,-39.67 P5.3 ; -32.354,40.088 -30.558,38.292 ; LevelShifter1.vB -26.255,-44.425 RLEV1.2 -34.42,-44.425 P5.3 ; -24.69,-54.75 -24.69,-52.21 ; -15.88,49.55 -15.88,47.01 -15.88,45.53 -9.875,39.525 13.287,39.525 16.4,42.638 16.4,47.15 16.4,49.69 ; LevelShifter1.OE -12.76,-21.85 -12.472,-21.85 -11.3,-23.022 -11.3,-26.836 -10.676,-27.46 -8.075,-27.46 2.VIN@-8.075,-27.94 ; 2.VIN@-7.62,-28.395 -4.175,-31.84 -4.175,-41.45 cVCC.1 12.73,-44.275 19.005,-50.55 ; 19.255,-54.64 19.005,-54.39 19.005,-50.55 ; Buzzer.1 27.785,30.6 46.475,30.6 56.2,20.875 56.2,2.42 54.34,0.56 ; Socket1.10 54.34,0.56 ; 19.005,-50.55 28.03,-41.525 CAMS1.1 28.819,-42.181 1.3 26.925,-46.669 26.925,-53.225 30.375,-56.675 41.8,-56.675 62.275,-36.2 62.275,-18.45 56.5,-12.675 56.5,-1.6 54.34,0.56
  Top Layer w1.5: KeyVCC.2 -58.981,23 -57.09,23
  Bottom Layer w0.5: MULTI.24 42.851,-5.714 Socket1.9 Socket1.10
  Bottom Layer w1: KeyVCC.2 -57.922,16.953 -57.9,16.975 -56.875,15.95 -56.875,-7.225 -67.175,-17.525 -67.175,-26.95 -51.675,-42.45 P2.3 ; -56.63,25.54 -56.63,27.029 -54.084,29.575 -46.264,29.575 -35.239,40.6 -32.866,40.6 -32.354,40.088 ; LevelShifter1.vB -24.69,-45.48 -24.69,-52.21 ; -24.825,-54.5 -24.825,-56.9 -24.125,-57.6 -15.1,-57.6 -14.53,-57.03 -14.53,-54.75 -14.53,-52.21 -8.41,-52.21 -1.65,-45.45 16.6,-45.45 19.005,-47.855 19.005,-50.55 ; LevelShifter1.OE@-13.3,-21.85 LevelShifter1.OE ; 15.86,46.61 16.4,47.15 21.575,47.15 30.075,38.65 30.075,31.9 28.775,30.6 Buzzer.1@27.785,30.6
VSS: "L mlb1.2" "L mlf1.2" "L mrb1.2" "L mrf1.2" cap2.1 cap4.1 cap15.1 cap17.1 CL1.1 CL2.1 CL3.1 CL4.1 KeyVSS.2 RES7.1 | length 263.4
  Top Layer w1: v1(-49.55,18.55) -45.7,18.55 -35.75,8.6 RES7.1
  Bottom Layer w0.5: CL1.1 -58.966,34.884 cap2.1
  Bottom Layer w1: cap2.1 -61.55,24.725 -61.55,20.7 -59.4,18.55 v1(-49.55,18.55)
  Bottom Layer w3: CL1.1@-58.591,36 -58.9,35.691 -58.9,40 -55.182,43.718 -48.335,43.718 -49.467,44.851 -49.467,51.258 -40.546,60.179 -38.775,60.179 -34.554,64.4 -29.075,64.4 -28.634,64.841 -18.8,64.841 -18.8,66.9 -14.875,70.825 -2.05,70.825 4.683,64.092 5.2,63.575 5.2,64.609 5.2,67.525 8.325,70.65 20.325,70.65 20.615,70.36 21.066,70.36 22.61,68.816 22.61,68.365 26.518,64.457 CL3.1 33.725,61.764 33.725,56.753 38.093,52.385 40.833,55.125 45.825,55.125 57.482,43.468 CL4.1 ; KeyVSS.2 65.272,29.292 ; CL4.1 60.444,34.119 ; CL4.1 60.444,34.119 ; 60.444,34.119 65.272,29.292 ; 60.444,34.119 65.272,29.292
pads on no net: 2.13/SCK 2.16/A2 2.17/A3 2.23/A9 2.A10 2.A11 2.A22/DAC1 2.AGND 2.AREF 2.GND 2.GND2 2.PROG 2.U5V 2.UD+ 2.UD- 2.UGND1 2.UGND2 2.VBAT 2.VUSB "KEY HC.5" "KEY HC.6" HC.1 HC.6 LevelShifter1.A5 LevelShifter1.A6 LevelShifter1.A7 LevelShifter1.A8 LevelShifter1.B5 LevelShifter1.B6 LevelShifter1.B7 LevelShifter1.B8 Screw1.S Screw2.S Screw3.S Screw4.S Screw5.S Screw6.S Screw7.S Screw8.S t1.0

## Polygon pours and split planes (outlines as drawn)
GND on Top Layer "poly_top" (solid, remove dead copper, pour order 2): 0,-75 cw(c0,0) -75,0 cw(c0,0) 0,75 cw(c0,0) 75,0 cw(c0,0)
GND on Bottom Layer "poly_butt" (solid, remove dead copper, pour order 3): 0,-75 cw(c0,0) -75,0 cw(c0,0) 0,75 cw(c0,0) 75,0 cw(c0,0)

## Silkscreen, mask and mechanical layers (free items; w line width, h text height)
Top Overlay:
  text "KAFB" at 23.425,51.7 h1.52 r270
  text "KAFF" at -22.05,45.725 h1.52 r90
  text "KAFL" at -29.525,45.6 h1.52 r315
  text "KAFR" at -63.05,22.8 h1.52 r90
Drill Guide:
  lines w0.254: -71.3,-5.475 -71.3,13.65 -71.225,13.725 -58.8,13.725 -58.8,-5.475 -71.3,-5.475
Mechanical 1:
  circle w0.013: c0,0 r75
  circle w0.013: c40,25 r1.5
  circle w0.013: c-40,25 r1.5
  circle w0.013: c-40,-25 r1.5
  circle w0.013: c40,-25 r1.5
  circle w0.013: c33.479,22.37 r1.5
  circle w0.013: c33.479,-22.37 r1.5
  circle w0.013: c-33.479,22.37 r1.5
  circle w0.013: c-33.479,-22.37 r1.5
  lines w0.013: -44.721,-5 cw(c0,0) -44.721,5 -37,5 cw(c0,0) -36.097,9.54 -43.231,12.495 cw(c0,0) -39.404,21.734 -37.922,21.12 -34.024,26.953 -35.158,28.087 cw(c0,0) -28.087,35.158 -22.627,29.698 cw(c0,0) -18.779,32.27 -21.733,39.404 cw(c0,0) -12.495,43.231 -9.54,36.097 cw(c0,0) -5,37 -5,44.721 cw(c0,0) 5,44.721 5,37 cw(c0,0) 9.54,36.097 12.495,43.231 cw(c0,0) 21.734,39.404 18.779,32.27 cw(c0,0) 22.627,29.698 28.087,35.158 cw(c0,0) 35.158,28.087 34.024,26.953 37.922,21.12 39.404,21.734 cw(c0,0) 43.231,12.495 36.097,9.54 cw(c0,0) 37,5 44.721,5 cw(c0,0) 44.721,-5 37,-5 cw(c0,0) 36.097,-9.54 43.231,-12.495 cw(c0,0) 39.404,-21.734 37.922,-21.12 34.024,-26.953 35.158,-28.087 cw(c0,0) 28.087,-35.158 22.627,-29.698 cw(c0,0) 18.779,-32.27 21.734,-39.404 cw(c0,0) 12.495,-43.231 9.54,-36.097 cw(c0,0) 5,-37 5,-44.721 cw(c0,0) -5,-44.721 -5,-37 cw(c0,0) -9.54,-36.097 -12.495,-43.231 cw(c0,0) -21.734,-39.404 -18.779,-32.27 cw(c0,0) -22.627,-29.698 -28.087,-35.158 cw(c0,0) -35.158,-28.087 -34.024,-26.953 -37.922,-21.12 -39.404,-21.734 cw(c0,0) -43.231,-12.495 -36.097,-9.54 cw(c0,0) -37,-5 -44.721,-5

## Text inside footprints (layer, text, board x,y; h text height)
KeyVCC: Top Layer "Cut" at -65.528,8.353 h3 r270
KeyVSS: Top Layer "Cut" at 64.772,8.353 h3 r270
NPN: Mechanical 1 "C" at 22.429,21.824 h0.7 r180
"S CMP": Top Overlay "2" at -11.822,-54 h1.5 r180; Top Overlay "9" at -26.398,-51.46 h1.5 r180; Top Overlay "10" at -26.398,-54 h1.5 r180; Top Overlay "1" at -12.322,-51.46 h1.5 r180
"S KAF B": Bottom Overlay "1" at 18.432,46.642 h1.27; Bottom Overlay "2" at 18.94,49.182 h1.27; Bottom Overlay "5" at 9.796,46.642 h1.27; Bottom Overlay "6" at 9.796,49.182 h1.27
"S KAF F": Bottom Overlay "1" at -17.912,50.058 h1.27 r180; Bottom Overlay "2" at -18.42,47.518 h1.27 r180; Bottom Overlay "5" at -9.276,50.058 h1.27 r180; Bottom Overlay "6" at -9.276,47.518 h1.27 r180
"S KAF L": Bottom Overlay "6" at -36.664,35.059 h1.27 r45; Bottom Overlay "5" at -34.868,33.263 h1.27 r45; Bottom Overlay "2" at -30.199,41.525 h1.27 r45; Bottom Overlay "1" at -28.762,39.37 h1.27 r45
"S KAF R": Bottom Overlay "6" at -50.026,23.508 h1.27 r180; Bottom Overlay "5" at -50.026,26.048 h1.27 r180; Bottom Overlay "2" at -59.17,23.508 h1.27 r180; Bottom Overlay "1" at -58.662,26.048 h1.27 r180
Socket1: Bottom Overlay "2" at 51.157,-12.14 h1.27 r270; Bottom Overlay "1" at 48.617,-12.14 h1.27 r270; Bottom Overlay "19" at 48.617,14.784 h1.27 r270; Bottom Overlay "20" at 51.157,14.784 h1.27 r270
"USB B": Mechanical 1 "PCB Edge" at 12.353,-69.325 h0.25